# Altium PCB Fastino-DIOT.PCBDOC (part 6 of 22) (continued)
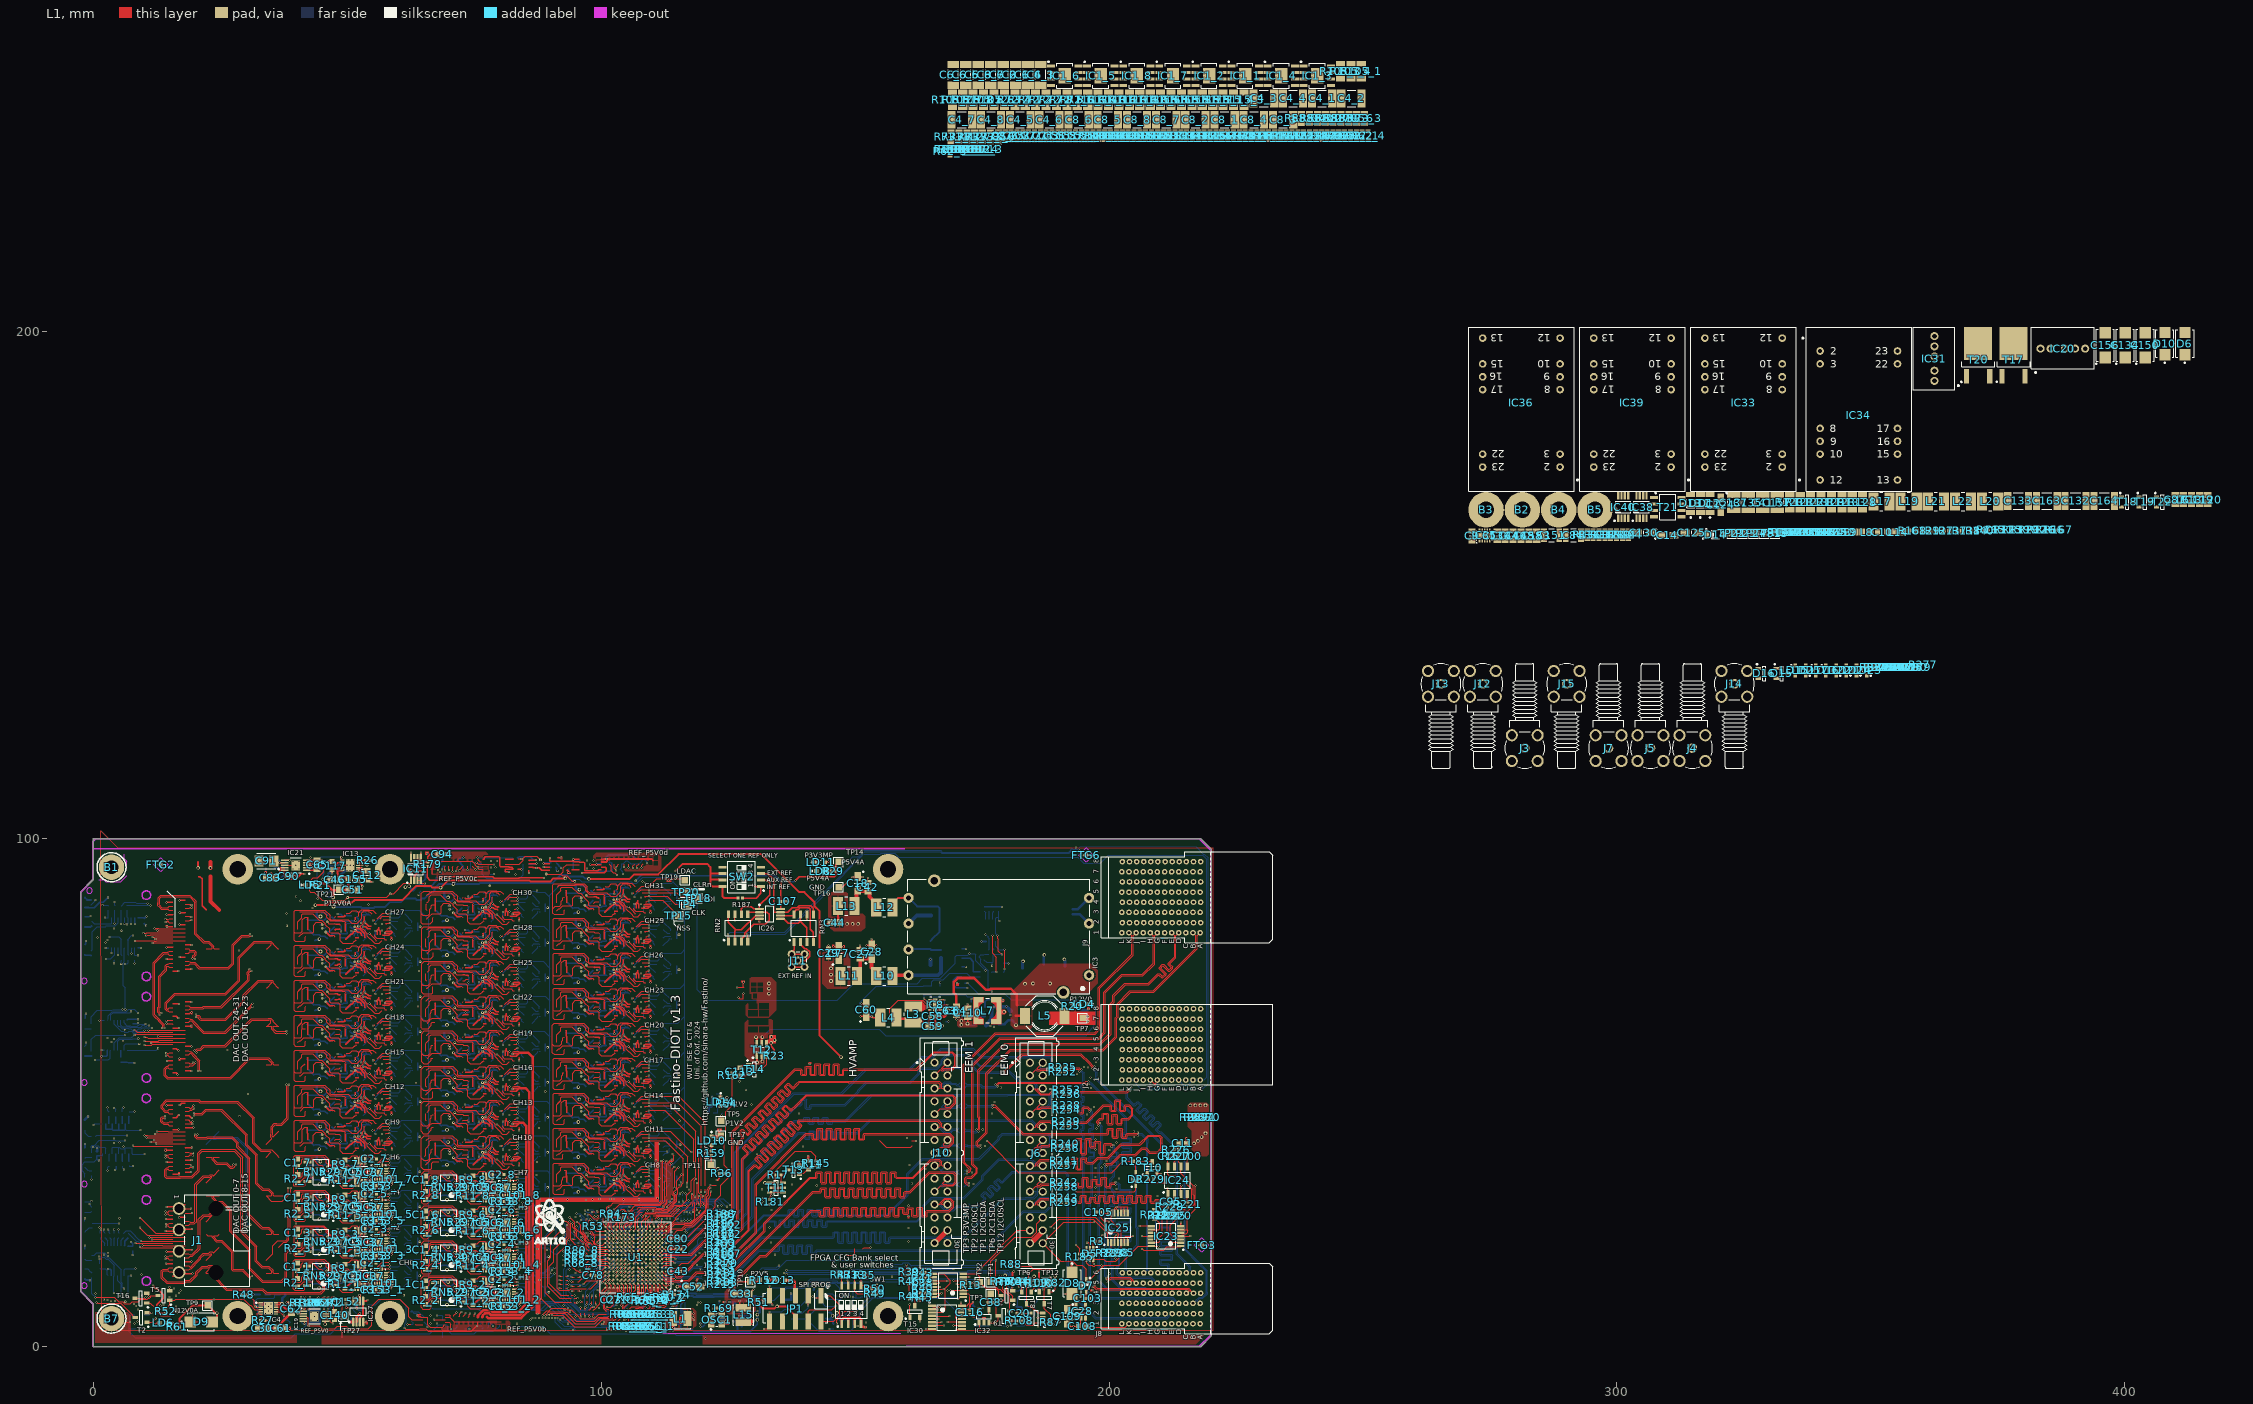
[diagram p0: L1 view]
## Nets (pads, with @x,y where several pads share a name; then routed paths per layer and width w, separated by ;. In a path a pad name is that pad's centre, name@x,y a point inside that pad or via, vN(x,y) a via of type N, cw(c..) or ccw(c..) an arc to the next point about the centre after c; other vN are vias at no path point) (continued)
  L3 w0.508: v1(74.168,6.528) 74.168,6.392 74.819,5.74 82.88,5.74 85.776,8.636 85.776,28.677 84.353,30.099 v1@82.525,30.099
  L2 w0.254: v2(46.029,62.969) 48.416,60.582 50.882,60.582 50.942,60.642 53.408,60.642 53.875,60.175 54.875,60.175 55.446,60.746 57.371,60.746 v1(57.383,60.759) ; v2(71.154,32.303) 73.439,30.019 78.531,30.019 79.025,29.525 79.78,29.525 80.336,30.081 82.496,30.081 v1(82.508,30.094)
  L6 w0.508: v1(40.894,9.754) 40.894,10.236 41.41,10.752 41.41,48.954 43.917,51.46 46.847,51.46 49.356,53.969 49.356,54.6 49.251,54.705 49.251,57.988 50.47,59.207 55.829,59.207 v1@57.379,60.757
  L8 w0.127: 57.323,59.681 57.383,59.741 v1(57.383,60.759) ; C138_8.1@82.448,29.016 82.508,29.076 v1(82.508,30.094)
DAC_SPI_CLK1: R65_1.1 U1.C3 | length 12.2
  L1 w0.127: v1(110.058,4.877) 110.071,4.864 110.071,4.3 R65_1.1@110.084,4.287 ; U1.C3@111.2,13.2 111.2,13.192 111.557,12.835 v1(111.557,12.827)
  L2 w0.127: v1@110.084,4.851 110.398,4.537 111.261,4.537 113.166,6.442 113.166,6.493 113.192,6.518 113.192,6.842 113.166,6.867 113.166,11.217 v1(111.557,12.827)
DAC_SPI_CLK2: R65_2.1 U1.B3 | length 3.3
  L1 w0.127: U1.B3@111.2,12.4 111.609,11.991 111.609,11.266 112.7,10.175 112.7,10.125 112.788,10.037 112.788,9.837 R65_2.1@112.85,9.775
DAC_SPI_CLK3: R65_3.1 U1.D5 | length 9.8
  L1 w0.127: U1.D5@109.6,14 109.611,14 109.971,13.64 v1(109.982,13.64) ; R65_3.1@110.592,6.68 110.592,6.987 110.744,7.14 v1(110.744,7.214)
  L2 w0.127: v1(109.982,13.64) 110.379,13.243 110.379,12.665 112.658,10.386 112.658,8.926 111.942,8.21 111.29,8.21 110.744,7.664 v1(110.744,7.214)
DAC_SPI_CLK4: R65_4.1 U1.A5 | length 2.6
  L1 w0.127: U1.A5@109.6,11.6 109.652,11.548 109.652,11.22 109.755,11.117 109.755,10.147 109.925,9.977 109.925,9.559 109.963,9.521 109.963,9.262 R65_4.1@110.025,9.2
DAC_SPI_CLK5: R65_5.1 U1.C6 | length 12.4
  L1 w0.127: R65_5.1@106.426,4.216 106.502,4.293 106.502,4.699 v1(106.553,4.75) ; U1.C6@108.8,13.2 108.806,13.2 109.179,12.827 v1(109.185,12.827)
  L2 w0.127: v1(106.553,4.75) 106.553,4.824 106.34,5.036 106.34,5.674 106.931,6.264 107.223,6.264 108.036,7.077 108.036,7.584 107.686,7.933 107.686,8.208 107.261,8.633 107.261,9.904 107.894,10.537 107.894,12.888 108.223,13.217 108.794,13.217 v1(109.185,12.827)
DAC_SPI_CLK6: R65_6.1 U1.B9 | length 2.8
  L1 w0.127: U1.B9@106.4,12.4 106.79,12.01 106.79,11.181 106.425,10.816 R65_6.1@106.425,9.95
DAC_SPI_CLK7: R65_7.1 U1.D9 | length 10
  L1 w0.127: v1(106.02,13.614) 106.02,13.617 106.4,13.997 U1.D9@106.4,14 ; R65_7.1@106.832,6.731 R65_7.1@106.868,6.767 ; R65_7.1@106.868,6.768 107.009,6.908 107.009,7.111 v1(107.061,7.163)
  L2 w0.127: v1(106.02,13.614) 106.491,13.143 106.491,8.263 106.047,7.819 105.997,7.819 105.553,7.375 105.553,7.052 105.782,6.823 106.721,6.823 v1(107.061,7.163)
DAC_SPI_CLK8: R65_8.1 U1.A11 | length 18
  L1 w0.127: R65_8.1@96.458,17.323 96.484,17.348 96.977,17.348 v1(97.003,17.374) ; v1(104.699,9.627) 104.749,9.677 104.749,11.549 U1.A11@104.8,11.6
  L6 w0.127: v1(97.003,17.374) 97.003,15.691 96.739,15.427 96.739,14.861 97.698,13.902 97.698,9.903 98.426,9.175 104.222,9.175 104.674,9.627 v1(104.699,9.627)
DAC_SPI_CLK9: U1.R3 | length 3.3
  L1 w0.127: U1.R3@111.2,22.8 111.252,22.852 111.5,22.852 111.838,23.191 112.143,23.191 112.409,23.457 112.409,23.762 112.945,24.297 113.203,24.297 v1(113.256,24.349)
  L8 w0.127: v1(113.256,24.349) 113.268,24.337 113.613,24.337 113.625,24.325
DAC_SPI_CLK10: U1.B10 | length 14.3
  L1 w0.127: v1(100.559,4.851) 101.64,4.851 102.006,4.485 102.006,4.42 ; v1(104.53,5.24) 104.53,7.709 106.04,9.219 106.04,10.587 106.009,10.618 106.009,11.991 U1.B10@105.6,12.4
  L2 w0.127: v1@100.609,4.801 100.949,4.461 104.302,4.461 104.53,4.69 v1(104.53,5.24)
DAC_SPI_CLK11: U1.E10 | length 11.9
  L1 w0.127: 97.575,11.375 97.964,11.375 v1(99.162,12.573) ; v1(105.232,14.453) 105.242,14.453 105.59,14.8 U1.E10@105.6,14.8
  L5 w0.127: v1(99.162,12.573) 100.519,13.93 100.519,14.326 101.824,15.63 103.193,15.63 103.212,15.612 104.581,15.612 104.626,15.656 105.445,15.656 105.673,15.427 105.673,14.894 v1(105.232,14.453)
DAC_SPI_CLK12: U1.P7 | length 4.4
  L1 w0.127: U1.P7@108,22 108,22.023 108.356,22.38 v1(108.356,22.403)
  L8 w0.127: v1(108.356,22.403) 108.409,22.455 108.409,22.69 109.245,23.526 109.245,24.048 109.75,24.553 109.75,25.675
DAC_SPI_CLK13: U1.B15 | length 6.8
  L1 w0.127: U1.B15@101.6,12.4 101.99,12.01 101.99,10.865 101.498,10.373 101.498,10.17 100.702,9.374 100.702,7.687 101.052,7.336 101.391,7.336 101.792,6.934 101.803,6.934
DAC_SPI_CLK14: U1.H11 | length 8.2
  L1 w0.127: v1(104.419,16.815) 104.419,16.817 104.8,17.198 U1.H11@104.8,17.2
  L6 w0.127: v1(98.304,15.746) 98.865,15.185 101.424,15.185 101.87,15.63 102.136,15.63 102.4,15.894 102.4,16.161 102.664,16.424 103.451,16.424 103.477,16.45 104.054,16.45 v1(104.419,16.815)
  L8 w0.127: 97.85,15.775 97.864,15.761 98.289,15.761 v1(98.304,15.746)
DAC_SPI_CLK15: U1.R9 | length 4.5
  L1 w0.127: U1.R9@106.409,22.809 106.809,23.21 106.809,25.465 107.515,26.171 107.515,26.256 107.709,26.45 108.075,26.45
DAC_SPI_CLK16: U1.E11 | length 13.6
  L1 w0.127: 98.146,9.565 v1(98.146,10.008) ; v1(104.419,14.376) 104.419,14.398 104.8,14.779 U1.E11@104.8,14.8
  L2 w0.127: v1(98.146,10.008) 98.146,13.607 100.169,15.63 102.136,15.63 102.397,15.891 102.397,16.157 102.657,16.418 102.981,16.418 103.236,16.163 103.236,15.897 103.499,15.633 103.74,15.633 104.004,15.37 104.004,14.792 v1(104.419,14.376)
DAC_SPI_CLK17: U1.H12 | length 13.2
  L1 w0.127: v1(94.373,21.15) 94.385,21.163 94.888,21.163 94.9,21.175 ; 94.849,21.049 94.9,21.1 ; v1(103.632,16.84) 103.636,16.84 103.996,17.2 U1.H12@104,17.2
  L5 w0.127: v1(94.373,21.15) 95.341,21.15 95.825,20.665 96.489,20.665 97.131,20.024 97.131,18.458 97.861,17.728 99.682,17.728 100.325,17.085 101.648,17.085 101.819,17.256 103.216,17.256 v1(103.632,16.84)
DAC_SPI_CLK18: U1.M11 | length 6.6
  L1 w0.127: v1(104.421,20.777) U1.M11@104.8,20.4
  L8 w0.127: v1(104.421,20.777) 104.819,21.175 105.325,21.175 105.597,21.447 105.597,22.832 105.49,22.939 105.49,23.263 106.031,23.805 106.42,23.805 107.516,24.9
DAC_SPI_CLK19: U1.F12 | length 13.8
  L1 w0.127: 97.638,7.202 97.674,7.239 97.699,7.239 98.162,7.702 98.475,7.702 v1(98.527,7.754) ; v1(103.607,15.215) 103.611,15.215 103.996,15.6 U1.F12@104,15.6
  L2 w0.127: v1@98.58,7.775 98.536,7.818 98.536,13.638 99.768,14.871 101.387,14.871 101.408,14.85 102.194,14.85 102.425,15.081 102.425,15.373 102.657,15.605 103.168,15.605 103.559,15.215 v1(103.607,15.215)
DAC_SPI_CLK20: U1.J14 | length 8.6
  L1 w0.127: v1(102.057,18.339) 102.059,18.339 102.398,18 U1.J14@102.4,18
  L2 w0.127: v1(95.562,20.376) 96.125,19.814 97.075,19.814 98.337,18.551 99.654,18.551 99.831,18.374 102.022,18.374 v1(102.057,18.339)
  L8 w0.127: 94.825,20.5 94.825,20.49 94.887,20.428 95.51,20.428 v1(95.562,20.376)
DAC_SPI_CLK21: U1.P15 | length 1.1
  L1 w0.127: v1(101.219,22.403) 101.219,22.392 101.6,22.011 U1.P15@101.6,22
  L8 w0.127: 100.875,22.8 100.875,22.75 101.219,22.406 v1(101.219,22.403)
DAC_SPI_CLK22: U1.F13 | length 12.3
  L1 w0.127: 93.029,12.268 93.042,12.256 93.535,12.256 v1(93.548,12.243) ; v1(102.819,15.215) 102.819,15.217 103.2,15.598 U1.F13@103.2,15.6
  L8 w0.127: v1@93.523,12.243 93.526,12.246 93.939,12.246 93.996,12.303 95.945,12.303 96.32,11.929 96.826,11.929 99.579,14.681 100.559,14.681 101.508,15.63 102.194,15.63 102.557,15.267 102.767,15.267 v1(102.819,15.215)
DAC_SPI_CLK23: U1.L12 | length 11.9
  L1 w0.127: v1(98.705,25.59) 98.705,25.908 ; v1(103.683,19.939) 103.683,19.928 104,19.611 U1.L12@104,19.6
  L2 w0.127: v1(98.705,25.59) 98.671,25.557 98.671,21.695 98.681,21.686 98.681,21.362 98.671,21.353 98.671,20.407 98.968,20.111 99.222,20.111 99.689,19.644 101.355,19.644 101.625,19.914 101.625,20.085 101.895,20.355 102.544,20.355 102.578,20.321 103.301,20.321 v1(103.683,19.939)
DAC_SPI_CLK24: U1.N10 | length 16.7
  L1 w0.127: v1(105.185,21.587) 105.199,21.587 105.586,21.2 U1.N10@105.6,21.2
  L6 w0.127: v1(105.185,21.587) 104.816,21.955 104.816,23.291 106.125,24.6 106.125,26.225 107.785,27.885 108.46,27.885 108.881,28.306 113.012,28.306 113.171,28.147 113.207,28.147 113.27,28.085 114.87,28.085 v1(115.3,28.514)
  L8 w0.127: v1(115.3,28.514) 115.333,28.547 115.333,28.908 115.367,28.942
DAC_SPI_CLK25: U1.G11 | length 14.4
  L1 w0.127: 95.34,11.887 v1(95.809,11.887) ; v1(104.419,16.002) 104.419,16.011 104.8,16.391 U1.G11@104.8,16.4
  L2 w0.127: v1(95.809,11.887) 95.809,13.138 96.739,14.069 96.739,15.427 97.921,16.609 98.584,16.609 99.06,17.085 101.699,17.085 102.054,17.44 102.429,17.44 102.448,17.459 103.565,17.459 104.022,17.002 104.022,16.399 v1(104.419,16.002)
DAC_SPI_CLK26: U1.K13 | length 8.9
  L1 w0.127: v1(102.891,19.126) 102.891,19.118 103.2,18.808 U1.K13@103.2,18.8
  L2 w0.127: v1(97.099,22.399) 97.047,22.347 97.047,22.024 97.034,22.012 97.034,21.685 98.863,19.857 99.117,19.857 99.584,19.39 101.461,19.39 101.638,19.567 102.449,19.567 v1(102.891,19.126)
  L8 w0.127: 96.5,22.35 96.524,22.374 97.074,22.374 v1(97.099,22.399)
DAC_SPI_CLK27: U1.T6 | length 2.6
  L1 w0.127: U1.T6@108.8,23.6 108.8,25 109.538,25.738 109.638,25.738 109.7,25.8
DAC_SPI_CLK28: U1.G13 | length 10.9
  L1 w0.127: 93.929,16.993 94.336,16.993 v1(94.361,17.018) ; v1(102.819,16.027) 102.823,16.027 103.196,16.4 U1.G13@103.2,16.4
  L8 w0.127: v1(94.361,17.018) 94.396,16.983 95.342,16.983 95.61,17.251 96.286,17.251 96.553,16.984 97.556,16.984 97.963,17.39 98.97,17.39 99.276,17.085 101.457,17.085 101.628,17.256 102.194,17.256 102.429,17.021 102.429,16.491 102.819,16.101 v1(102.819,16.027)
DAC_SPI_CLK29: U1.K12 | length 9.5
  L1 w0.127: v1(103.607,19.152) 103.628,19.152 103.979,18.8 U1.K12@104,18.8
  L2 w0.127: v1(96.35,21.056) 97.173,20.233 97.173,20.075 98.442,18.805 100.745,18.805 100.814,18.736 103.191,18.736 v1@103.556,19.101
  L8 w0.127: v1(96.35,21.056) 96.385,21.09 96.815,21.09 96.85,21.125
DAC_SPI_CLK30: U1.P6 | length 9.8
  L1 w0.127: U1.P6@108.8,22 108.8,22.026 109.15,22.377 v1(109.15,22.403)
  L6 w0.127: v1(109.15,22.403) 109.15,23.265 109.287,23.401 109.287,23.413 109.664,23.79 110.198,23.79 110.203,23.786 112.349,23.786 112.449,23.886 113.067,23.886 113.141,23.959 113.759,23.959 114.1,24.3 115.853,24.3 115.875,24.322 115.933,24.322 116.332,24.721 v1@116.332,24.79
  L8 w0.127: v1(116.383,24.816) 116.383,25.324
DAC_SPI_CLK31: U1.M12 | length 8.6
  L1 w0.127: v1(103.64,20.726) 103.657,20.726 103.983,20.4 U1.M12@104,20.4
  L6 w0.127: v1(100.08,26.001) 100.854,26.001 102.397,24.459 102.397,21.435 102.725,21.107 103.26,21.107 v1(103.64,20.726)
  L8 w0.127: 99.575,26.2 99.637,26.138 99.869,26.138 100.006,26.001 v1(100.08,26.001)
DAC_SPI_CLK32: U1.R2 | length 10.7
  L1 w0.127: U1.R2@112,22.8 112.052,22.852 112.3,22.852 112.657,23.21 113.202,23.21 114.367,24.375 116.191,24.375 116.217,24.4 117.662,24.4 118.465,25.203 118.465,26.637 118.4,26.702 118.4,27.514 118.459,27.574 118.459,28.386 118.466,28.392 118.466,28.423
DAC_SPI_CLRn: IC37_1.10 IC37_2.10 IC37_3.10 IC37_4.10 IC37_5.10 IC37_6.10 IC37_7.10 IC37_8.10 TP20.1 U1.A7 | length 650.8
  L1 w0.127: IC37_1.10@56.355,15.548 56.783,15.977 v1(58.293,15.977) ; IC37_3.10@56.409,22.266 56.838,22.695 v1(58.348,22.695) ; IC37_5.10@56.409,29.153 56.838,29.582 v1(58.348,29.582) ; IC37_7.10@56.409,36.04 56.838,36.468 v1(58.348,36.468) ; 56.409,42.926 56.838,43.355 v1(58.348,43.355) ; 56.435,49.859 56.864,50.288 v1(58.374,50.288) ; 56.435,56.745 56.864,57.174 v1(58.374,57.174) ; 56.435,63.632 56.864,64.061 v1(58.374,64.061) ; 56.435,70.518 56.864,70.947 v1(58.374,70.947) ; 56.435,77.405 56.864,77.834 v1(58.374,77.834) ; 56.435,84.292 56.864,84.721 v1(58.374,84.721) ; IC37_2.10@81.56,12.307 81.989,12.736 v1(83.499,12.736) ; IC37_4.10@81.56,19.194 81.989,19.622 v1(83.499,19.622) ; IC37_6.10@81.56,26.08 81.989,26.509 v1(83.499,26.509) ; IC37_8.10@81.56,32.967 81.989,33.396 v1(83.499,33.396) ; 81.56,39.853 81.989,40.282 v1(83.499,40.282) ; 81.56,46.74 81.989,47.169 v1(83.499,47.169) ; 81.56,53.627 81.989,54.055 v1(83.499,54.055) ; 81.56,60.513 81.989,60.942 v1(83.499,60.942) ; 81.56,67.4 81.989,67.829 v1(83.499,67.829) ; 81.56,74.269 81.989,74.698 v1(83.498,74.698) ; 81.56,81.156 81.989,81.584 v1(83.498,81.584) ; 81.56,88.042 81.989,88.471 v1(83.498,88.471) ; 107.435,34.493 107.864,34.922 v1(109.374,34.922) ; 107.435,41.38 107.864,41.809 v1(109.374,41.809) ; 107.435,48.266 107.864,48.695 v1(109.374,48.695) ; 107.435,55.153 107.864,55.582 v1(109.374,55.582) ; 107.435,62.04 107.864,62.468 v1(109.374,62.468) ; 107.435,68.926 107.864,69.355 v1(109.374,69.355) ; 107.435,75.813 107.864,76.242 v1(109.374,76.242) ; 107.435,82.699 107.864,83.128 v1(109.374,83.128) ; 107.435,89.586 107.864,90.015 v1(109.374,90.015) ; U1.A7@108,11.6 108,9.376 108.33,9.046 v1(108.33,8.2) ; v1@109.5,90.013 116.029,90.013 TP20.1@116.6,89.441
  L8 w0.127: v1@58.31,15.941 58.329,15.941 58.583,15.687 60.062,15.687 60.342,15.966 60.342,16.881 60.626,17.165 64.115,17.165 65.964,15.316 ; v1@58.364,22.659 58.383,22.659 58.637,22.405 60.117,22.405 60.396,22.685 60.396,23.599 60.68,23.883 64.17,23.883 65.989,22.064 ; v1@58.364,29.546 58.383,29.546 58.637,29.292 60.117,29.292 60.396,29.571 60.396,30.486 60.68,30.77 64.17,30.77 65.989,28.951 ; v1@58.364,36.432 58.383,36.432 58.637,36.178 60.117,36.178 60.396,36.458 60.396,37.372 60.68,37.656 64.17,37.656 65.989,35.837 ; v1@58.364,43.319 58.383,43.319 58.637,43.065 60.117,43.065 60.396,43.344 60.396,44.259 60.68,44.543 64.17,44.543 ; v1@58.39,50.252 58.409,50.252 58.663,49.998 60.143,49.998 60.422,50.277 60.422,51.191 60.706,51.476 64.196,51.476 65.989,49.682 ; v1@58.39,57.138 58.409,57.138 58.663,56.884 60.143,56.884 60.422,57.164 60.422,58.078 60.706,58.362 64.142,58.362 65.989,56.515 65.989,49.682 ; v1@58.39,64.025 58.409,64.025 58.663,63.771 60.143,63.771 60.422,64.05 60.422,64.965 60.706,65.249 64.196,65.249 65.989,63.456 ; v1@58.39,70.911 58.409,70.911 58.663,70.657 60.143,70.657 60.422,70.937 60.422,71.851 60.706,72.135 64.196,72.135 65.989,70.342 ; v1@58.39,77.798 58.409,77.798 58.663,77.544 60.143,77.544 60.422,77.823 60.422,78.738 60.706,79.022 64.196,79.022 65.989,77.229 ; v1@58.39,84.685 58.409,84.685 58.663,84.431 60.143,84.431 60.422,84.71 60.422,85.624 60.706,85.909 64.196,85.909 65.794,84.311 ; 64.22,44.543 65.989,42.774 ; 65.786,84.303 65.989,84.099 65.989,77.229 ; 65.989,49.627 65.989,42.774 ; 65.989,56.569 65.989,63.4 ; 65.989,70.287 65.989,63.456 ; 65.989,77.174 65.989,70.342 ; 66.017,49.655 65.989,49.682 ; 66.017,63.428 65.989,63.456 ; 66.017,70.315 65.989,70.342 ; 66.017,77.201 65.989,77.229 ; v1@83.515,12.7 83.534,12.7 83.788,12.446 85.268,12.446 85.547,12.725 85.547,13.64 85.831,13.924 86.939,13.924 87.173,13.69 87.173,13.132 88.506,11.798 89.604,11.798 90.277,11.125 91.375,11.125 ; v1@83.515,19.587 83.534,19.587 83.788,19.333 85.268,19.333 85.547,19.612 85.547,20.526 85.831,20.81 86.939,20.81 88.335,19.415 89.494,19.415 90.671,18.237 91.313,18.237 ; v1@83.515,26.473 83.534,26.473 83.788,26.219 85.268,26.219 85.547,26.499 85.547,27.413 85.831,27.697 86.939,27.697 88.009,26.627 88.009,26.363 88.763,25.609 89.087,25.609 89.887,26.41 89.887,26.416 ; v1@83.515,33.36 83.534,33.36 83.788,33.106 85.268,33.106 85.547,33.385 85.547,34.3 85.831,34.584 89.321,34.584 89.907,33.998 ; v1@83.515,40.246 83.534,40.246 83.788,39.992 85.268,39.992 85.547,40.272 85.547,41.186 85.831,41.47 89.035,41.47 89.891,40.615 ; v1@83.515,47.133 83.534,47.133 83.788,46.879 85.268,46.879 85.547,47.158 85.547,48.073 85.831,48.357 89.235,48.357 89.907,47.685 ; v1@83.515,54.02 83.534,54.02 83.788,53.766 85.268,53.766 85.547,54.045 85.547,54.959 85.831,55.243 89.105,55.243 89.891,54.458 ; v1@83.515,60.906 83.534,60.906 83.788,60.652 85.268,60.652 85.547,60.932 85.547,61.846 85.831,62.13 88.822,62.13 89.907,61.046 ; v1@83.515,67.793 83.534,67.793 83.788,67.539 85.268,67.539 85.547,67.818 85.547,68.733 85.831,69.017 89.022,69.017 89.907,68.132 ; v1@83.515,74.662 83.534,74.662 83.788,74.408 85.268,74.408 85.547,74.687 85.547,75.602 85.831,75.886 88.554,75.886 89.891,74.549 ; v1@83.515,81.549 83.534,81.549 83.788,81.295 85.268,81.295 85.547,81.574 85.547,82.488 85.831,82.772 88.678,82.772 89.891,81.559 ; v1@83.515,88.435 83.534,88.435 83.788,88.181 85.268,88.181 85.547,88.461 85.547,89.375 85.831,89.659 86.97,89.659 87.163,89.465 88.894,89.465 89.907,88.452 ; v1(108.33,8.2) 108.33,7.013 107.644,6.326 101.211,6.326 101.178,6.359 94.885,6.359 ; v1@109.39,34.886 109.547,34.729 111.214,34.729 111.46,34.975 111.46,35.864 111.706,36.11 112.814,36.11 113.249,35.675 114.031,35.675 116.484,38.128 116.484,43.967 ; v1@109.39,41.773 109.409,41.773 109.663,41.519 111.143,41.519 111.422,41.798 111.422,42.713 111.706,42.997 115.514,42.997 116.484,43.967 ; v1@109.39,48.659 109.409,48.659 109.663,48.405 111.143,48.405 111.422,48.685 111.422,49.599 111.706,49.883 115.187,49.883 116.484,51.181 ; v1@109.39,55.546 109.409,55.546 109.663,55.292 111.143,55.292 111.422,55.571 111.422,56.486 111.706,56.77 115.196,56.77 ; v1@109.39,62.432 109.409,62.432 109.663,62.178 111.143,62.178 111.422,62.458 111.422,63.372 111.706,63.656 115.117,63.656 116.484,65.024 ; v1@109.39,69.319 109.409,69.319 109.663,69.065 111.143,69.065 111.422,69.344 111.422,70.259 111.706,70.543 115.526,70.543 116.383,71.399 ; v1@109.39,76.206 109.409,76.206 109.663,75.952 111.143,75.952 111.422,76.231 111.422,77.145 111.706,77.43 115.733,77.43 115.976,77.673 ; v1@109.39,83.092 109.409,83.092 109.663,82.838 111.143,82.838 111.422,83.118 111.422,84.032 111.706,84.316 115.609,84.316 116.281,84.988 ; v1@109.39,89.979 109.409,89.979 109.663,89.725 111.143,89.725 111.422,90.004 111.422,90.919 111.706,91.203 113.936,91.203 114.173,91.44 ; 115.241,56.77 116.484,58.014 ; 115.951,77.699 116.484,78.232 ; 116.294,84.976 116.484,85.166 ; 116.37,71.412 116.484,71.526 ; 65.989,22.064 65.989,8.306 66.853,7.442 71.234,7.442 71.247,7.455 75.628,7.455 75.951,7.133 88.73,7.133 89.738,8.14 90.509,8.14 92.29,6.359 94.885,6.359 ; 65.989,22.064 65.989,28.951 ; 65.989,28.951 65.989,35.837 ; 65.989,35.837 65.989,42.774 ; 89.887,26.416 91.146,25.157 91.146,21.801 91.354,21.593 91.354,12.919 91.375,12.899 91.375,11.125 ; 89.887,26.416 89.907,26.435 89.907,33.998 ; 89.907,33.998 89.907,47.685 ; 89.907,47.685 89.907,61.046 ; 89.907,61.046 89.907,68.132 ; 89.907,68.132 89.907,88.452 ; 89.907,88.452 89.907,88.865 92.359,91.318 93.87,91.318 94.61,92.058 95.692,92.058 96.2,91.55 105.95,91.55 106.25,91.25 107,91.25 107.5,91.75 108.155,92.405 114.099,92.405 114.173,92.331 114.173,91.44 ; 91.375,11.125 92.151,10.349 92.151,9.599 94.885,6.865 94.885,6.359 ; 114.173,91.44 116.484,89.129 116.484,85.166 ; 116.484,43.967 116.484,51.181 ; 116.484,51.181 116.484,58.014 ; 116.484,58.014 116.484,65.024 ; 116.484,65.024 116.484,71.526 ; 116.484,71.526 116.484,78.232 ; 116.484,78.232 116.484,85.166
DAC_SPI_LDACn1: R80_1.1 U1.D4 | length 13.9
  L1 w0.127: v1(108.433,4.902) 108.433,4.42 R80_1.1@108.483,4.369 ; U1.D4@110.4,14 110.4,13.992 110.769,13.623 v1(110.769,13.614)
  L2 w0.127: v1(108.433,4.902) 109.849,6.318 111.867,6.318 ; v1(110.769,13.614) 110.822,13.562 110.822,13.327 111.16,12.989 111.16,12.672 112.912,10.919 112.912,8.821 112.411,8.319 112.411,6.55 112.178,6.318 111.868,6.318
DAC_SPI_LDACn2: R80_2.1 U1.A1 | length 1.9
  L1 w0.127: U1.A1@112.8,11.6 113.475,10.925 R80_2.1@113.475,10
DAC_SPI_LDACn3: R80_3.1 U1.B5 | length 6.9
  L1 w0.127: R80_3.1@108.951,6.756 108.957,6.762 109.231,6.762 110.555,8.087 110.555,9.288 110.179,9.665 110.179,10.083 110.009,10.252 110.009,11.991 U1.B5@109.6,12.4
DAC_SPI_LDACn4: R80_4.1 U1.D7 | length 2.4
  L1 w0.127: U1.D7@108,14 108,13.998 108.382,13.616 v1(108.382,13.614)
  L8 w0.127: v1(108.382,13.614) 108.775,13.221 108.775,12.654 108.675,12.554 R80_4.1@108.675,11.95
DAC_SPI_LDACn5: R80_5.1 U1.B7 | length 11.5
  L1 w0.127: R80_5.1@104.761,4.369 105.419,5.028 105.419,7.242 105.991,7.814 107.308,7.814 107.378,7.883 108.095,7.883 108.169,7.81 108.492,7.81 108.721,8.039 108.721,9.014 108.38,9.355 108.38,10.792 108.39,10.802 108.39,12.01 U1.B7@108,12.4
DAC_SPI_LDACn6: R80_6.1 U1.C8 | length 7.4
  L1 w0.127: U1.C8@107.2,13.2 107.211,13.2 107.493,12.918 v1(107.503,12.918)
  L6 w0.127: v1(107.503,12.918) 107.503,12.844 107.604,12.744 107.604,10.786 107.515,10.697 107.515,8.464 108.169,7.81 108.565,7.81 v1(108.875,7.5)
  L8 w0.127: v1(108.875,7.5) 108.925,7.5 109.325,7.1 R80_6.1@109.325,7.05
DAC_SPI_LDACn7: R80_7.1 U1.C9 | length 7
  L1 w0.127: R80_7.1@105.029,6.731 v1(105.029,7.264) ; v1(106.07,12.878) 106.074,12.878 106.396,13.2 U1.C9@106.4,13.2
  L2 w0.127: v1(105.029,7.264) 105.71,7.945 105.71,8.587 106.07,8.948 v1(106.07,12.878)
DAC_SPI_LDACn8: R80_8.1 U1.C10 | length 19.8
  L1 w0.127: v1@96.366,19.238 96.366,19.036 96.391,19.012 R80_8.1@96.398,19.012 ; v1(105.283,12.878) 105.283,12.88 105.6,13.197 U1.C10@105.6,13.2
  L6 w0.127: v1(96.315,19.423) 97.27,19.423 98.141,18.551 98.721,18.551 98.95,18.323 98.95,17.875 98.496,17.421 97.994,17.421 97.735,17.162 97.735,15.763 98.142,15.356 98.16,15.356 98.625,14.891 98.625,13.528 98.619,13.522 98.619,11.217 99.076,10.76 100.683,10.76 101.715,11.793 104.198,11.793 v1(105.283,12.878)
DAC_SPI_LDACn9: U1.N5 | length 3.4
  L1 w0.127: U1.N5@109.6,21.2 109.6,21.236 109.885,21.521 v1(109.885,21.557)
  L8 w0.127: v1(109.885,21.557) 109.949,21.557 110.383,21.991 110.884,21.991 110.896,22.002 110.906,22.002 111.134,22.231 111.134,22.241 111.171,22.277 111.171,22.504 111.458,22.791 111.666,22.791 111.95,23.075 111.95,23.125
DAC_SPI_LDACn10: U1.D11 | length 10.7
  L1 w0.127: 103.607,4.496 103.91,4.799 104.088,4.799 v1(104.14,4.851) ; v1(104.47,13.716) 104.493,13.716 104.777,14 U1.D11@104.8,14
  L2 w0.127: v1(104.14,4.851) 104.14,6.807 104.385,7.051 104.385,7.563 104.607,7.785 104.607,9.058 104.308,9.357 104.308,10.457 104.886,11.035 104.886,13.3 v1(104.47,13.716)
DAC_SPI_LDACn11: U1.A15 | length 15
  L1 w0.127: 94.141,10.101 94.162,10.079 94.67,10.079 v1(94.691,10.058) ; v1(101.397,10.922) 101.397,10.996 101.6,11.199 U1.A15@101.6,11.6
  L2 w0.127: v1@94.641,9.982 94.691,9.932 94.691,8.055 96.193,6.553 100.86,6.553 101.813,7.505 101.813,8.969 101.415,9.366 101.415,10.903 v1(101.397,10.922)
DAC_SPI_LDACn12: U1.L9 | length 18.4
  L1 w0.127: v1(106.005,20.001) 106.005,19.998 106.4,19.603 U1.L9@106.4,19.6 ; v1@119.326,26.397 119.308,26.415 119.308,26.533 119.575,26.8 119.575,26.85
  L6 w0.127: v1(106.005,20.001) 106.005,20.06 106.745,20.8 106.745,21.297 107.438,21.991 108.496,21.991 108.76,22.254 108.76,23.28 111.362,25.882 112.157,25.882 112.375,26.1 115.291,26.1 116.07,26.88 118.343,26.88 118.865,26.357 119.225,26.357 v1(119.256,26.326)
DAC_SPI_LDACn13: U1.E13 | length 8.9
  L1 w0.127: v1(102.819,14.427) 102.823,14.427 103.196,14.8 U1.E13@103.2,14.8 ; 103.423,6.954 103.451,6.982 103.451,7.389 v1(103.48,7.417)
  L2 w0.127: v1(102.819,14.427) 104.073,13.173 104.073,12.027 103.609,11.564 103.609,10.492 103.662,10.44 103.662,9.056 103.48,8.874 103.48,7.442 v1@103.454,7.417
DAC_SPI_LDACn14: U1.J16 | length 2.9
  L1 w0.127: v1(98.559,18.161) 98.569,18.151 98.95,18.151 99.33,17.771 99.913,17.771 100.143,18 U1.J16@100.8,18
  L8 w0.127: 98.55,18.575 98.555,18.57 98.555,18.166 v1(98.559,18.161)
DAC_SPI_LDACn15: U1.N9 | length 20.2
  L1 w0.127: v1(106.03,21.601) 106.03,21.585 106.4,21.216 U1.N9@106.4,21.2 ; 120.459,31.026 120.477,31.009 120.477,30.431 v1(120.481,30.426)
  L5 w0.127: v1(106.03,21.601) 106.03,21.604 107.219,22.793 109.731,22.793 109.769,22.755 110.093,22.755 110.104,22.744 110.265,22.744 110.646,23.125 111.55,23.125 111.956,23.531 114.083,23.531 115.427,24.875 115.427,26.115 116.723,27.411 116.942,27.411 118.437,28.905 119.112,28.905 119.671,29.465 119.671,29.769 119.979,30.077 120.132,30.077 v1(120.481,30.426)
DAC_SPI_LDACn16: U1.B14 | length 14.1
  L1 w0.127: 96.444,9.565 v1(96.444,10.033) ; v1(101.168,7.772) 101.912,7.772 102.5,8.361 102.5,9.84 102.79,10.13 102.79,12.01 U1.B14@102.4,12.4
  L2 w0.127: v1(96.444,10.033) 96.444,9.396 96.555,9.284 96.555,8.01 96.46,7.915 96.46,7.509 96.859,7.11 100.506,7.11 v1(101.168,7.772)
DAC_SPI_LDACn17: U1.H14 | length 11.1
  L1 w0.127: v1(102.032,16.866) 102.049,16.866 102.383,17.2 U1.H14@102.4,17.2
  L5 w0.127: v1(96.368,20.235) 95.925,19.792 95.925,17.9 97.215,16.609 98.512,16.609 98.828,16.926 100.124,16.926 100.219,16.831 101.997,16.831 v1(102.032,16.866)
  L8 w0.127: 95.525,21.05 95.525,21 95.706,20.819 95.706,20.789 96.208,20.287 96.316,20.287 v1(96.368,20.235)
DAC_SPI_LDACn18: U1.T10 | length 3.7
  L1 w0.127: U1.T10@105.6,23.6 106.15,24.15 106.15,24.283 106.151,24.284 106.151,24.818 106.15,24.819 106.15,26.7 106.425,26.975
DAC_SPI_LDACn19: U1.G12 | length 17.5
  L1 w0.127: v1(95.953,7.704) 95.97,7.687 95.97,7.244 95.987,7.228 ; v1(103.632,16.053) 103.642,16.053 103.99,16.4 U1.G12@104,16.4
  L2 w0.127: v1(95.953,7.704) 95.953,7.768 96.301,8.116 96.301,9.179 96.053,9.427 96.053,10.575 97.52,12.042 97.52,15.515 98.142,16.137 98.646,16.137 98.77,16.014 101.415,16.014 101.819,16.418 102.136,16.418 102.422,16.704 102.422,16.97 102.657,17.205 102.981,17.205 103.242,16.945 103.242,16.517 103.632,16.126 v1(103.632,16.053)
DAC_SPI_LDACn20: U1.J15 | length 3.8
  L1 w0.127: 98.125,18.825 98.162,18.788 98.212,18.788 98.449,18.551 99.654,18.551 99.796,18.41 101.19,18.41 U1.J15@101.6,18
DAC_SPI_LDACn21: U1.R14 | length 4.7
  L1 w0.127: U1.R14@102.4,22.8 102.009,23.191 102.009,24.991 102.634,25.616 102.634,26.259 103.2,26.825 103.25,26.825
DAC_SPI_LDACn22: U1.F11 | length 13.7
  L1 w0.127: 93.029,13.894 v1(93.497,13.894) ; v1(104.394,15.164) 104.394,15.179 104.8,15.585 U1.F11@104.8,15.6
  L8 w0.127: v1(93.497,13.894) 93.55,13.946 93.886,13.946 94.053,14.113 98.14,14.113 99.837,15.809 100.279,15.809 100.887,16.418 102.143,16.418 102.416,16.145 102.416,15.878 102.689,15.605 103.953,15.605 v1(104.394,15.164)
DAC_SPI_LDACn23: U1.M13 | length 7
  L1 w0.127: 100.533,25.908 100.57,25.871 100.595,25.871 100.897,25.569 100.897,25.406 v1(100.95,25.354) ; v1(102.834,20.711) 102.861,20.711 103.173,20.4 U1.M13@103.2,20.4
  L2 w0.127: v1(100.95,25.354) 101.609,24.694 101.609,22.293 101.616,22.287 101.616,21.377 101.851,21.143 102.403,21.143 v1(102.834,20.711)
DAC_SPI_LDACn24: U1.R10 | length 16
  L1 w0.127: U1.R10@105.6,22.8 105.6,22.81 v1(106.005,23.216)
  L6 w0.127: v1(106.005,23.216) 106.005,23.781 107.025,24.8 107.025,25.675 108.65,27.3 111.1,27.3 111.852,28.052 112.907,28.052 113.066,27.893 113.102,27.893 113.164,27.831 115.169,27.831 115.69,28.352 115.69,28.763 115.919,28.992 116.948,28.992 117.141,28.799 v1(117.215,28.799)
  L8 w0.127: 116.789,29.006 116.851,28.945 116.995,28.945 117.141,28.799 v1(117.215,28.799)
DAC_SPI_LDACn25: U1.G10 | length 14.4
  L1 w0.127: 95.326,13.665 95.339,13.678 95.796,13.678 v1(95.809,13.691) ; v1(105.213,16.068) 105.24,16.068 105.573,16.4 U1.G10@105.6,16.4
  L2 w0.127: v1(95.809,13.691) 96.222,14.104 96.222,16.126 97.08,16.984 97.556,16.984 98.089,17.517 99.759,17.517 100.108,17.866 101.457,17.866 101.628,17.694 102.324,17.694 102.343,17.713 104.073,17.713 104.81,16.977 104.81,16.471 v1(105.213,16.068)
DAC_SPI_LDACn26: U1.J10 | length 11.3
  L1 w0.127: v1(105.283,18.364) 105.283,18.341 105.6,18.024 U1.J10@105.6,18
  L6 w0.127: v1(99.062,23.9) 99.275,23.687 99.275,22.722 100.269,21.728 100.269,20.387 101.921,18.736 103.743,18.736 103.798,18.791 104.857,18.791 v1(105.283,18.364)
  L8 w0.127: 98.175,23.775 98.212,23.775 98.863,23.775 98.988,23.9 v1(99.062,23.9)
DAC_SPI_LDACn27: U1.M8 | length 15.6
  L1 w0.127: U1.M8@107.2,20.4 107.2,20.404 107.594,20.799 v1(107.594,20.803) ; 118,27.127 118.086,27.04 118.086,26.755 118.075,26.767 v1(118.075,26.475)
  L2 w0.127: v1(107.594,20.803) 107.991,21.199 107.991,22.216 107.966,22.241 107.966,23.352 108.4,23.786 110.465,23.786 111.415,24.736 112.617,24.736 112.621,24.74 113.924,24.74 113.934,24.73 115.237,24.73 115.713,25.206 117.139,25.206 118.023,26.09 118.023,26.423 v1(118.075,26.475)